# Allegro board LAY-28163.brd (continued)
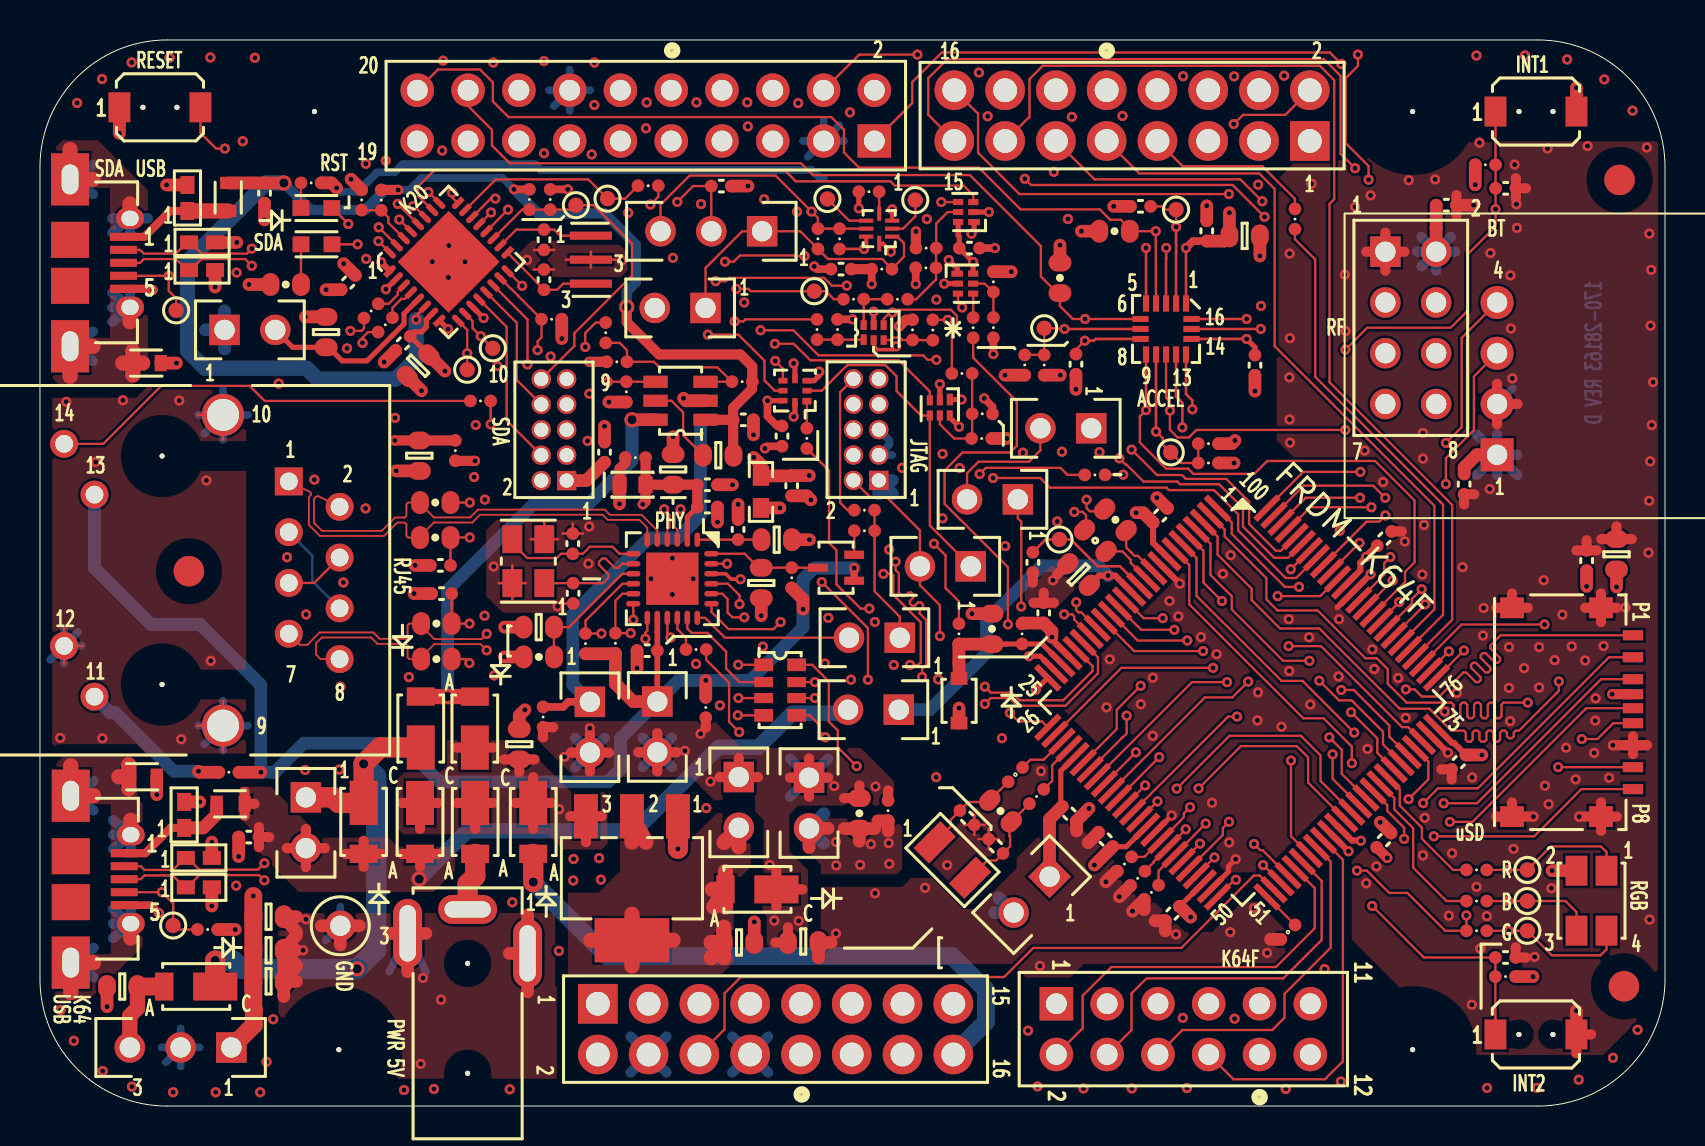
[diagram p0: board, top side]
## Routing (per net, layer and track width the routed paths; a pad name or vN(x,y) marks a point on that pad's centre or on a via; arc(x,y) is an arc through that point) (continued)
P3V3_K64F: length 34.4
  TOP w0.254: U14.40 54.33,12.98 C46.1 ; C49.1 57.42,10.41 U14.48
  TOP w0.305: U14.61 65.62,13.29 66.05,13.29 v1(66.07,13.27) ; U14.8 55.67,28.18 C25.1 ; U14.89 66.04,26.8 66.04,27.19 v1(66.33,27.48) ; U14.75 70.63,18.17 70.72,18.17 C42.1
  TOP w0.33: v1(50.61,23.46) 50.61,23.34 U14.22
  TOP w0.381: C27.1 v1(66.33,27.48)
  TOP w0.508: C47.1 v1(67.39,12.41)
  TOP w0.635: 42.42,13.76 R64.2 41.91,14.27 ; R52.1 v1(46.61,24.64) ; v1(54.82,29.68) 55.18,29.68 C25.1 ; v1(50.61,23.46) 50.61,23.75 C37.1 49.15,24.17 R54.1 ; C46.1 v1(52.74,12.06) ; v1(57.55,9.45) 57.01,9.99 C49.1 ; 40.98,13.25 R66.2 ; R66.2 41.75,13.88 ; R66.2 40.22,13.88 ; C42.1 v1(72.12,17.57) ; 38.47,12.94 J20.2 39.42,13.89
  BOTTOM w0.635: 47.75,9.68 J23.2 47.96,10.42 ; J20.2 39.2,14.63 ; J20.2 38.47,12.94 ; J20.2 39.2,13.15 ; J20.2 39.42,13.89 ; J9.1 42.63,31.3 ; J9.1 41.96,30.63 ; J9.1 42.63,30.63
  vias: v1(39.82,13.21) v1(39.83,12.04) v1(41.02,12.07) v1(41.56,13.1) v1(42.45,13.15) v1(42.48,12.12)
P3V3_SDA: length 48.2
  TOP w0.203: v1(42.56,42.75) 42.16,43.15 U3.1
  TOP w0.254: v1(45.45,42.33) 45.88,41.91 U7.1 ; U9.5 v1(41.7,39.75) ; C15.1 18.52,38.51 C12.1 18.74,38.73 19.09,38.73 19.32,38.97 19.32,39.34 19.63,39.65 U5.7 ; v1(46.59,43.64) 46.72,43.77 U2.1 ; R4.2 v1(40.95,44.92) ; v1(36.39,35.29) U10.7 ; U5.11 v1(22.19,39.43) ; U12.1 v1(46.09,35.35)
  TOP w0.305: U5.1 v1(17.06,42.22)
  TOP w0.381: R26.1 v1(40.64,39.36) ; J18.1 26.43,20.22 26.17,19.97 R61.2 ; v1(36.39,35.29) 36.39,34.51 36.87,34.03 C17.1 ; R37.1 47.64,34.99 v1(47.23,35.41) ; R23.1 v1(47.69,37.62) ; v1(41.6,41.13) R14.1
  TOP w0.508: R14.1 C8.1 ; v1(42.97,39.01) 42.99,39.01 43.32,39.34 R27.2 ; v1(43.81,43.76) R12.1
  TOP w0.635: J10.1 27.32,31.3 C18.1 ; v1(15.19,42.15) C10.1 ; R35.1 v1(28.45,35.22) ; v1(20.26,36.77) C15.1 ; R21.1 v1(26.1,38.4) ; R17.1 v1(10.45,41.1)
  BOTTOM w0.635: J10.1 27.02,31.3 ; J7.1 9.23,39.79 ; J7.1 9.23,37.88 ; J7.1 8.28,38.83 ; J18.1 26.65,21.08 26.65,24.61 30.46,28.42 31.9,28.42 33.04,29.56 33.04,34.06
P3V3_VREG: length 18.1
  TOP w0.762: 34.22,13.18 J19.2 34.95,12.97 ; 30.31,13.2 U17.2 29.61,13.2 ; D11.A 34.28,11.73 ; D11.A 33.7,9.95 ; D11.A 34.28,9.95 ; D11.A 33.64,10.84 ; 34.2,7.42 C51.1 ; C51.1 33.57,8.18 ; C51.1 33.57,7.42 ; C51.1 34.2,8.95 ; 27.55,8.3 U17.4 ; U17.4 29.61,7 ; U17.4 31.67,8.3 ; U17.4 29.61,9.59
P5V0_SDA_USB_CONN_VBUS: length 5.8
  TOP w0.406: J26.1 5.21,43.49 6.51,44.79 U1.1
  TOP w0.762: U1.1 L1.1
P5V0_USB_CONN_VBUS: length 6
  TOP w0.406: J22.1 5.27,12.65 6.53,13.92 U15.1
  TOP w0.635: U15.1 8.16,13.92 8.84,14.59 L5.1
P5V_K64_USB: length 37.5
  TOP w0.508: 10.24,14.52 L5.2 ; L5.2 10.73,15.12 ; L5.2 10.24,15.72 ; 19.01,11.97 D8.A ; D8.A 19.9,12.62 ; D8.A 18.12,12.62 ; D7.A 16.19,13.27 ; D7.A 16.19,11.97 ; D7.A 17.08,12.62 ; D7.A 15.3,12.62 ; 13.3,11.95 J21.2 ; J21.2 14.25,12.9 ; J21.2 13.3,13.86 ; J21.2 12.35,12.9 ; 10.95,12.95 C45.1 ; C45.1 11.46,13.46 ; C45.1 10.95,13.97
  BOTTOM w0.762: J16.2 40.24,19.65 37.63,19.65 35.93,17.95 33.94,17.95 29.76,13.76 21.38,13.76 v2(18.97,11.36)
P5V_OPT_VR: length 4.5
  TOP w0.762: C53.1 4.88,4.9 4.49,4.52 J27.3
  TOP w0.889: C53.1 D13.A
P5V_SDA: length 68.3
  TOP w0.127: v1(18.81,39.35) 18.8,39.36 18.8,39.54 U5.6
  TOP w0.381: R5.1 v1(23.71,45.86)
  TOP w0.508: C19.1 34.67,32.58 C16.1 ; C16.1 34.67,34.94 35.6,35.87 R34.1 35.63,37.01 35.03,37.6 30.97,37.6 29.35,39.22 v2(29.35,39.98) ; C16.1 33.29,34.33 U11.1 ; R8.1 v1(17.91,45.84)
  TOP w0.635: L1.2 C1.1 12.09,46.19 12.1,46.18 v2(12.2,46.18)
  BOTTOM w0.381: v1(23.71,45.86) 23.13,46.44 19.09,46.44 18.48,45.84 v1(17.91,45.84)
  BOTTOM w0.508: v1(17.91,45.84) 17.28,45.84 16.28,44.84 13.54,44.84 v2(12.2,46.18) ; v1(23.71,45.86) 24.91,44.66 28.25,44.66 29.8,43.11 29.8,41.2 29.35,40.75 v2(29.35,39.98)
  BOTTOM w0.762: v1(18.81,39.35) 18.81,37.39 17.8,36.38 13.87,36.38 13.33,36.92 8.25,36.92 7.38,37.79 7.38,42.26 11.31,46.18 v2(12.2,46.18)
P5V_SDA_PSW: length 23.2
  TOP w0.635: U11.6 v2(29.61,34.34)
  TOP w0.762: D5.A v2(20.39,20.49) 21.74,20.49 D6.A
  BOTTOM w0.635: v2(29.61,34.34) 29.61,32.3 27.43,30.12 24.69,30.12 20.39,25.82 v2(20.39,20.49)
P5V_USB: length 53.3
  TOP w1.016: D5.C 17.01,17.94 v2(16.19,17.12) D7.C 14.93,15.17 14.65,15.44 J21.1 ; D13.C v2(8.76,7.28)
  INT_1 w1.016: J3.10 38.06,2.05 36.94,0.93 25.14,0.93 22.53,3.53 19.69,3.53 16.98,6.23 16.49,6.23 v2(15.86,6.86)
  BOTTOM w1.016: v2(16.19,17.12) 16.82,16.49 16.82,7.82 v2(15.86,6.86) 10.07,6.86 9.65,7.28 v2(8.76,7.28)
VBAT: length 6.7
  TOP w0.254: C43.1 51.06,15.06 51.06,16.77 U14.30
  TOP w0.635: J23.1 50.5,14.35 C43.1
VDDA_ENET: length 18.8
  TOP w0.254: C24.1 32.38,29.47 U13.2
  TOP w0.508: C24.1 C22.1 32.87,31.09 C21.1 31.66,31.09 L3.2 ; R41.1 20.78,32.28 v1(21.76,32.28) ; L3.2 30.29,31.08 30.29,30.25 v1(30.15,30.11) ; L3.2 R42.2
  INT_1 w0.254: v1(30.15,30.11) 29.29,30.97 28.11,30.97 27.35,30.2 23.84,30.2 v1(21.76,32.28)
VDDIO_ENET: length 70.1
  TOP w0.279: U13.14 30.88,23.72 C39.1 30.88,21.27 30.88,21.27 J17.1
  TOP w0.381: D3.1 v1(40.72,26.92)
  TOP w0.635: R60.2 v1(33.3,21.3) ; R56.1 28.77,22.63 R55.1 28.78,21.13 29.67,20.24 J17.1 ; R76.1 v1(11.05,16.7) ; R50.1 38.17,25.35 v1(38.17,24.86)
  BOTTOM w0.635: v1(40.72,26.92) 38.73,26.92 38.17,26.36 v1(38.17,24.86) 38.17,23.94 35.52,21.3 v1(33.3,21.3) 31.94,21.3 J17.1 29.04,18.4 29.04,16.86 28.41,16.22 19.99,16.22 18.06,18.15 13.2,18.15 11.75,16.7 v1(11.05,16.7) 11.05,21.06 8.02,24.09 5.57,24.09 2.73,26.93 J13.13
VDDPLL_1.2V: length 3.2
  TOP w0.114: U13.1 34.42,28.34 C26.1 36.08,28.34 C28.1
ADC0_DM0/ADC1_DM3: length 45.7
  TOP w0.114: v1(51.23,24.6) 51.64,24.6 51.73,24.51 51.73,24.35 U14.19
  INT_1 w0.119: v1(51.23,24.6) 51.23,24.99 50.98,25.24 50.98,25.85 53.3,28.18 53.3,30.5 52.8,31 51.71,31 49.36,28.65 40.98,28.65 39.38,30.26 39.38,35.9 39.72,36.24 39.72,38.56 37.12,41.16 37.12,45.49 35.23,47.38 35.23,48.17 35.11,48.29 J2.7
ADC0_DM1: length 30.5
  TOP w0.114: U14.15 55.08,23.83 v1(56.74,23.83)
  INT_1 w0.13: J4.3 54.91,6.65 58.94,6.65 62.49,10.2 62.49,12.94 56.74,18.69 v1(56.74,23.83)
ADC0_DP0/AD1_DP3: length 45.4
  TOP w0.114: v1(51.83,25.2) 51.83,24.81 51.94,24.7 52.08,24.7 U14.18
  INT_1 w0.119: v1(51.83,25.2) 51.44,25.2 51.27,25.37 51.27,25.73 53.6,28.05 53.6,30.62 52.92,31.3 51.59,31.3 49.24,28.95 41.11,28.95 39.67,30.38 39.67,35.78 40.02,36.12 40.02,38.69 37.42,41.28 37.42,45.62 35.53,47.51 35.53,48.17 35.65,48.29 J2.5
ADC0_DP1: length 31.9
  TOP w0.114: 54.3,25.31 55.2,24.41 v1(56.15,24.41)
  INT_1 w0.13: J4.1 52.78,7.06 58.55,7.06 61.92,10.43 61.92,12.85 56.15,18.62 v1(56.15,24.41)
ADC1_DM0/ADC0_DM3: length 52
  TOP w0.114: v1(42.19,26.63) 42.6,26.63 42.68,26.54 42.68,25.58 44.05,24.2 44.05,22.2 43.93,22.07 v1(43.52,22.07) ; v1(47.26,20.98) 47.55,20.69 48.61,20.69 49,20.3 51.18,20.3 52.64,21.76 52.64,22.02 U14.21
  INT_1 w0.119: v1(47.26,20.98) 46.98,20.7 46.79,20.7 44.96,22.52 44.36,22.52 44.19,22.35 43.8,22.35 v1(43.52,22.07) ; J2.13 27.58,48.29 28.61,47.26 29.99,47.26 30.06,47.32 30.56,47.32 31.21,46.67 32.84,46.67 34.53,44.98 34.53,43.19 36.14,41.59 36.14,40.34 38.2,38.27 38.2,34.66 38.2,32.72 37.7,32.22 37.7,28.03 38.37,27.36 41.85,27.36 42.19,27.02 v1(42.19,26.63)
ADC1_DM1: length 28.1
  TOP w0.114: v1(58.18,22.76) 54.73,22.76 U14.17
  INT_1 w0.13: J4.7 59.49,5.12 63.55,9.18 63.55,13.24 58.18,18.61 v1(58.18,22.76)
ADC1_DP0/ADC0_DP3: length 51.8
  TOP w0.114: v1(42.8,27.24) 42.8,26.82 42.96,26.66 42.96,25.69 43.13,25.52 43.27,25.52 43.44,25.69 43.58,25.69 43.68,25.59 43.68,25.45 43.51,25.28 43.51,25.13 43.61,25.03 43.75,25.03 43.92,25.2 44.07,25.2 44.17,25.1 44.17,24.96 44,24.79 44,24.65 44.33,24.32 44.33,22.08 44.12,21.88 v1(44.12,21.46) ; U14.20 52.92,22.45 52.92,21.65 51.3,20.03 48.88,20.03 48.5,20.41 47.55,20.41 v1(47.26,20.12)
  INT_1 w0.119: v1(44.12,21.46) 44.4,21.75 44.4,22.14 44.49,22.23 44.84,22.23 46.67,20.4 46.98,20.4 v1(47.26,20.12) ; v1(42.8,27.24) 42.4,27.24 41.97,27.66 38.49,27.66 38,28.15 38,32.09 38.5,32.59 38.5,34.17 38.5,34.17 38.5,34.79 38.5,34.79 38.5,38.4 36.43,40.46 36.43,41.76 34.83,43.36 34.83,45.1 32.96,46.97 31.33,46.97 30.68,47.62 30.35,47.62 29.68,48.29 J2.11
ADC1_DP1: length 29.1
  TOP w0.114: v1(57.39,23.29) 54.91,23.29 U14.16
  INT_1 w0.13: v1(57.39,23.29) 57.39,18.64 63.02,13 63.02,9.93 59.34,6.25 57.05,6.25 J4.5
ADC1_SE18: length 51.6
  TOP w0.114: v1(39.1,26.22) 39.41,25.91 39.42,25.91 41.41,23.91 v1(41.41,21.33) ; U14.26 50.11,19.24 48.94,19.24 v1(48.51,19.67)
  INT_1 w0.13: J2.17 22.7,47 29.86,47 30.69,46.17 31.74,46.17 32.57,45.35 32.57,43.37 33.25,42.69 34.54,42.69 35.78,41.45 35.78,40.03 37.24,38.57 37.24,30.79 36.55,30.1 36.55,28.3 38.64,26.22 v1(39.1,26.22) ; v1(41.41,21.33) 41.84,20.9 45.62,20.9 46.84,19.67 v1(48.51,19.67)
AREF: length 42.7
  TOP w0.114: R53.2 45.96,25.12 45.96,25.25 45.29,25.92 45.29,27.55 v1(44.71,28.14)
  INT_1 w0.13: v1(44.71,28.14) 43.24,28.14 43.03,28.34 40.1,28.34 39.04,29.41 39.04,36.15 39.43,36.54 39.43,38.2 36.78,40.85 36.78,41.96 35.16,43.58 35.16,45.5 32.96,47.7 32.96,48.66 32.09,49.53 25.25,49.53 J2.16
CPU_PER_1_RST_B: length 6.9
  TOP w0.114: R45.2 R47.1 41.74,25.75 43,24.49 J14.1
CRS_DV: length 6.3
  TOP w0.114: v1(31.54,23.44) 31.38,23.61 U13.15 ; v1(34.92,22.08) 35.47,22.08 35.47,22.08 RN1.1
  INT_1 w0.13: v1(34.92,22.08) 33.56,23.44 v1(31.54,23.44)
DAC0_OUT: length 28.5
  TOP w0.114: U14.27 54.09,21.93 v1(58.67,21.93)
  INT_1 w0.13: J4.11 63.54,7.64 64.04,8.13 64.04,13.29 58.67,18.66 v1(58.67,21.93)
DC_JACK: length 2.9
  TOP w1.016: J24.1 21.39,11.12 21.76,11.49 21.76,11.52 21.77,11.52 D9.A
ENET1_CT: length 19
  TOP w0.508: v1(17.75,33.3) C20.1 R41.2
  INT_1 w0.508: v1(17.75,33.3) 12.17,33.3 11.13,32.26 11.13,30.03 J13.3
  BOTTOM w0.127: J13.3 13.62,27.54 13.62,26.27 J13.6
ENET1_RX+: length 25.9
  TOP w0.089: v1(31.22,29.86) 31.5,29.57 31.5,28.96 31.38,28.84 U13.4 ; v1(22.34,23.62) 22.08,23.36 19.73,23.36 19.07,24.02 R51.1 18.48,24.14 18.39,24.05 18.39,23.47 18.3,23.38 16.98,23.38 16.67,23.7 13.99,23.7 13.37,23.08 13,23.08 J13.7
  INT_1 w0.089: v1(31.22,29.86) 31.45,29.62 31.45,28.91 31.17,28.63 30.59,28.63 25.33,23.37 22.6,23.37 v1(22.34,23.62)
ENET1_RX-: length 26.5
  TOP w0.089: v1(22.34,22.8) 22.04,23.11 19.73,23.11 19.07,22.45 R59.1 18.48,22.36 18.39,22.45 18.39,23.04 18.3,23.12 16.88,23.12 16.56,23.44 14.1,23.44 13.81,23.16 13.81,22.59 14.03,22.36 J13.8 ; v1(32.04,29.86) 31.76,29.57 31.76,28.96 31.88,28.84 U13.3
  INT_1 w0.089: v1(22.34,22.8) 22.65,23.11 25.44,23.11 30.7,28.37 31.28,28.37 31.71,28.8 31.71,29.53 v1(32.04,29.86)
ENET1_TX+: length 22.3
  TOP w0.089: U13.6 30.38,28.93 29.98,29.33 28.4,29.33 28.14,29.59 22.01,29.59 21.63,29.2 19.7,29.2 19.01,28.5 R48.1 18.42,28.44 18.33,28.53 18.33,29.1 18.24,29.19 17.87,29.19 17.2,28.52 14,28.52 13.45,29.08 13.45,30.44 13.56,30.6 13.52,30.71 J13.1
ENET1_TX-: length 22.3
  TOP w0.089: J13.2 13.91,30.52 13.79,30.48 13.7,30.36 13.7,29.18 14.11,28.78 17.09,28.78 17.76,29.45 18.24,29.45 18.33,29.54 18.33,30.11 18.42,30.2 R44.1 19.01,30.14 19.7,29.45 21.52,29.45 21.91,29.84 28.25,29.84 28.5,29.58 30.09,29.58 30.88,28.79 U13.5
ENET_1_RX_RDIV: length 5.3
  TOP w0.114: v1(21.48,24.14) R51.2 20.59,25.13 20.59,25.14 C36.1 ; R59.2 21.28,22.36 v1(21.48,22.16)
  INT_1 w0.13: v1(21.48,24.14) 21.48,22.62 21.48,22.61 v1(21.48,22.16)
ENET_1_TX_RDIV: length 5.1
  TOP w0.114: R44.2 v1(21.5,30.2) ; C31.1 20.53,27.68 20.53,27.69 R48.2 20.54,28.45 v1(21.5,28.45)
  INT_1 w0.13: v1(21.5,30.2) v1(21.5,28.45)
EXTAL32_RTC: length 2.6
  TOP w0.114: R63.1 50.63,16.27 50.63,17.05 U14.29
EXTAL_32.768KHZ: length 5.2
  TOP w0.114: R63.2 49.13,14.77 48.58,14.22 48.49,14.13 48.49,13.5 48.52,13.47 48.52,12.99 C48.1 47.81,12.28 47.38,12.28 Y3.2
FXOS8700CQ_CRST: length 3.7
  TOP w0.114: C13.1 51.82,37.85 v1(52.26,38.29)
  TOP w0.127: U8.8 52.79,38.38 52.7,38.29 v1(52.26,38.29)
FXOS8700CQ_I2C_SA0: length 7.1
  TOP w0.114: v1(51.24,38.88) 50.83,38.88 50.79,38.92 TP8.1 R32.2 R31.1
  TOP w0.127: U8.7 v1(51.24,38.88)
FXOS8700CQ_I2C_SA1: length 7.8
  TOP w0.114: v1(55.82,33.74) 56.16,33.41 56.16,33.11 TP11.1 57.09,32.17 R43.1 R40.2
  TOP w0.127: U8.10 55.82,35.01 55.82,35 55.82,34.63 55.82,34.63 v1(55.82,33.74)
I2S_MCLK: length 8.6
  TOP w0.114: J1.7 57.16,47.02 61.14,47.02 62.77,45.39 R79.1
K64_MICRO_USB_DN: length 2.7
  TOP w0.114: R49.2 54.14,27.75 54.47,27.41 54.48,27.41 54.56,27.33 54.56,27.17 U14.11
K64_MICRO_USB_DP: length 2.7
  TOP w0.114: U14.10 54.91,27.53 54.75,27.53 54.59,27.69 54.59,27.69 54.33,27.95 R46.2
LED1/SPEED: length 18.8
  TOP w0.114: v1(34.37,27.13) 34.37,27.13 U13.23 ; v1(22.54,34.11) R36.1
  INT_1 w0.13: v1(34.37,27.13) 34.37,27.63 32.92,29.08 32.92,29.75 32.02,30.65 31.99,30.65 31.14,31.5 27.9,31.5 27.02,30.62 24.72,30.62 22.54,32.8 v1(22.54,34.11)
LED2_LINK: length 7.8
  TOP w0.635: v1(7.93,16.75) 7.98,16.7 R76.2
  BOTTOM w0.635: J13.11 3.53,19.67 3.78,19.67 6.7,16.75 v1(7.93,16.75)
LEDRGB_BLUE: length 5.7
  TOP w0.114: R71.1 v1(73.43,10.26) TP14.1 76.3,10.26 76.85,9.71 D12.3
LEDRGB_GREEN: length 7.6
  TOP w0.114: D12.4 78.35,7.84 78.05,7.54 75.62,7.54 TP17.1 v1(73.47,8.77) R73.1
LEDRGB_RED: length 7.5
  TOP w0.114: D12.1 78.35,12.71 78.07,12.99 75.57,12.99 TP13.1 v1(73.39,11.81) R68.2
LVLRST_EN: length 1.1
  TOP w0.114: R4.1 41.97,45.25 41.98,45.24 U3.5
MIC2005_CSLEW: length 4.2
  TOP w0.114: U11.5 31.58,35.29 32.17,34.7 32.17,33.56 C19.2
MMA8451_BYP: length 6
  TOP w0.114: v1(56.82,43.99) TP4.1 56.26,44.85 56.09,45.02 C3.1
  TOP w0.127: U8.2 56.82,42.72 56.83,42.73 56.83,43.14 56.82,43.14 56.82,43.32 56.82,43.52 56.82,43.52 v1(56.82,43.99)
NC1: length 3.1
  TOP w0.114: J13.5 13.72,26.17 J13.4
Net_211: length 3.5
  TOP w0.127: 57.6,38.88 v1(61.06,38.88)
P5-9V_VIN: length 54
  TOP w0.889: J27.1 10.69,4.05 10.69,4.82 10.67,4.84 C54.1 C52.1 C50.1 v1(10.67,10.51)
  TOP w1.016: D10.A v2(24.67,11.2)
  INT_1 w0.889: v2(24.67,11.2) 23.05,12.82 18.63,12.82 16.21,10.4 10.78,10.4 v1(10.67,10.51)
  BOTTOM w0.889: J3.16 47.31,4.21 47.31,5.81 45.63,7.5 28.37,7.5 v2(24.67,11.2)
P5-9V_VIN_VR: length 17.3
  TOP w0.508: 23.97,16.71 C41.1 ; C41.1 24.74,17.34 ; C41.1 23.21,17.34 ; 21.77,13.87 D9.C ; D9.C 20.88,15.17 ; D9.C 22.66,15.17 ; D10.C 24.67,16.46 ; D10.C 25.56,15.17 ; D10.C 24.67,13.87 ; D10.C 23.78,15.17 ; D8.C 19.9,15.17 ; D8.C 18.12,15.17 ; D8.C 19.01,13.87 ; 27.31,13.2 U17.3 ; U17.3 26.52,14.5 ; U17.3 28.1,14.5 ; 22.64,17.93 D6.C 20.86,17.93
  vias: v1(25.97,14.85)
PHY_RST_B: length 1.2
  TOP w0.114: 40.73,28.78 40.73,27.98 40.72,27.97 D3.2
POWER_EN: length 16
  TOP w0.114: R29.1 27.79,39.2 27.27,38.68 v1(27.27,37.98) ; 17.86,43.05 v1(16.94,43.97)
  INT_1 w0.13: v1(27.27,37.98) 26.29,38.96 21.95,38.96 v1(16.94,43.97)
PTA0: length 40.8
  TOP w0.114: v1(54.81,17.7) U14.34 ; v1(49.08,24.99) 49.08,29.24 48.91,29.41 J11.1
  INT_1 w0.13: J11.1 48.91,31.77 47.82,32.86 47.82,35.6 47.13,36.29 47.13,42.47 42.81,46.78 42.81,49.74 J2.2 ; v1(54.81,17.7) 50.14,22.36 50.14,23.48 49.08,24.55 v1(49.08,24.99)
PTA1: length 42.1
  TOP w0.114: v1(60.43,21.24) 59.64,20.45 58.27,20.45 U14.35
  INT_1 w0.13: v1(60.43,21.24) 60.43,22.32 57.97,24.78 57.97,32.42 58.5,32.95 58.5,43.9 54.62,47.78 54.62,49.54 J1.8
PTA2: length 41.7
  TOP w0.114: v1(54.18,31.59) 54.17,31.58 R80.2 ; U14.36 v1(55.98,17.45)
  INT_1 w0.13: v1(55.98,17.45) 54.96,18.48 54.96,19.55 54.61,19.91 54.61,27.62 55.32,28.33 55.32,30.46 v1(54.18,31.59) 55.12,32.53 55.12,33.61 54.83,33.91 54.83,41.9 49.55,47.18 49.55,49.55 J1.12
PTA3: length 24.8
  TOP w0.114: v1(45.01,23.51) 45.01,25.06 44.01,26.06 J12.2 44.01,28.8 42.37,30.44 41.55,30.44 J9.2 ; 54.3,15.06 v1(55.28,16.04)
  INT_1 w0.13: v1(45.01,23.51) 45.51,23.51 52.98,16.04 v1(55.28,16.04)
PTA4: length 34.4
  TOP w0.114: v1(59.88,19.48) 59.43,19.48 U14.38 ; SW3.1 72.8,4.53 72.79,4.53 R75.2 C55.1 69.22,7.43 v1(66.63,10.01)
  INT_1 w0.13: v1(66.63,10.01) 68.7,12.08 68.7,13.69 67.63,14.77 63.91,14.77 59.88,18.8 v1(59.88,19.48)
PTA5: length 39
  TOP w0.114: RN1.7 v1(38.76,21.21) ; v1(55.89,15.24) U14.39
  INT_1 w0.13: v1(55.89,15.24) 55.58,15.56 55.12,15.56 55.01,15.45 55.01,14.9 54.9,14.79 54.73,14.79 54.62,14.9 54.62,15.45 54.51,15.56 54.35,15.56 54.23,15.45 54.23,14.9 54.12,14.79 53.96,14.79 53.84,14.9 53.84,15.45 53.73,15.56 53.57,15.56 53.45,15.45 53.45,14.9 53.34,14.79 53.18,14.79 53.07,14.9 53.07,15.45 52.95,15.56 52.23,15.56 51.86,15.94 51.7,15.94 51.18,15.42 51.02,15.42 50.91,15.54 50.91,15.7 51.42,16.21 51.42,16.37 51.31,16.48 51.15,16.48 50.63,15.97 50.47,15.97 50.36,16.09 50.36,16.25 50.87,16.76 50.87,16.92 50.23,17.56 50.07,17.56 49.55,17.04 49.39,17.04 49.28,17.15 49.28,17.31 49.8,17.83 49.8,17.99 49.49,18.3 49.33,18.3 48.78,17.75 48.62,17.75 48.5,17.87 48.5,18.03 49.05,18.58 49.05,18.74 48.87,18.92 48.08,18.92 47.97,19.03 47.97,19.14 47.86,19.26 47.69,19.26 47.58,19.14 47.58,19.03 47.47,18.92 47.31,18.92 47.19,19.03 47.19,19.14 47.08,19.26 46.92,19.26 46.8,19.14 46.8,19.03 46.69,18.92 45.3,18.92 45.19,19.03 45.19,20.2 45.08,20.31 44.92,20.31 44.8,20.2 44.8,18.97 44.69,18.85 44.53,18.85 44.41,18.97 44.41,20.2 44.3,20.31 44.14,20.31 44.02,20.2 44.02,18.98 43.91,18.86 40,18.86 39.39,19.47 39.39,20.58 v1(38.76,21.21)
PTA12: length 40.4
  TOP w0.114: 54.6,12.47 55.24,12.47 56.98,14.21 56.98,14.22 57.21,14.45 57.21,14.64 v1(57.52,14.95) ; v1(38.76,20.41) RN1.6
  INT_1 w0.13: v1(38.76,20.41) 38.76,19.64 39.93,18.47 40.32,18.47 40.44,18.35 40.44,17.89 40.55,17.77 40.71,17.77 40.83,17.89 40.83,18.35 40.94,18.47 41.1,18.47 41.22,18.35 41.22,17.89 41.33,17.77 41.49,17.77 41.6,17.89 41.6,18.35 41.72,18.47 47.23,18.47 47.41,18.28 47.41,18.12 47.12,17.84 47.12,17.67 47.23,17.56 47.4,17.56 47.68,17.85 47.84,17.85 47.96,17.73 47.96,17.57 47.67,17.29 47.67,17.12 47.78,17.01 47.95,17.01 48.23,17.3 48.39,17.3 48.51,17.18 48.51,17.02 48.22,16.74 48.22,16.58 48.33,16.46 48.49,16.46 48.78,16.75 48.94,16.75 49.06,16.63 49.06,16.47 48.77,16.19 48.77,16.03 48.88,15.91 49.04,15.91 49.33,16.2 49.49,16.2 49.61,16.09 49.61,15.92 49.32,15.64 49.32,15.48 49.43,15.36 49.59,15.36 49.88,15.65 50.04,15.65 50.16,15.54 50.16,15.37 49.87,15.09 49.87,14.93 49.98,14.81 50.14,14.81 50.43,15.1 50.59,15.1 50.71,14.99 50.71,14.82 50.42,14.54 50.42,14.38 50.53,14.26 50.69,14.26 50.98,14.55 51.14,14.55 51.78,13.92 52.44,13.92 52.56,14.03 52.56,14.31 52.67,14.42 52.83,14.42 52.95,14.31 52.95,14.03 53.06,13.92 53.22,13.92 53.33,14.03 53.33,14.31 53.45,14.42 53.61,14.42 53.72,14.31 53.72,14.03 53.84,13.92 54,13.92 54.11,14.03 54.11,14.31 54.23,14.42 54.39,14.42 54.5,14.31 54.5,14.03 54.61,13.92 54.78,13.92 54.89,14.03 54.89,14.31 55,14.42 55.16,14.42 55.28,14.31 55.28,14.03 55.39,13.92 55.55,13.92 55.67,14.03 55.67,14.31 55.78,14.42 55.94,14.42 56.06,14.31 56.06,14.03 56.17,13.92 56.68,13.92 57.21,14.45 57.21,14.64 v1(57.52,14.95)
PTA13: length 39.3
  TOP w0.114: R69.1 55.7,12.19 55.7,12.23 U14.43 57.31,13.83 v1(57.31,13.85) ; v1(39.28,18.45) 38.97,18.76 38.97,19.08 38.5,19.55 RN1.5
  INT_1 w0.13: v1(57.31,13.85) 56.99,13.53 50.56,13.53 49.83,14.26 49.67,14.26 49.26,13.85 49.1,13.85 48.99,13.97 48.99,14.13 49.4,14.54 49.4,14.7 49.28,14.81 49.12,14.81 48.71,14.4 48.55,14.4 48.44,14.52 48.44,14.68 48.85,15.09 48.85,15.25 48.73,15.36 48.57,15.36 48.16,14.95 48,14.95 47.89,15.07 47.89,15.23 48.3,15.64 48.3,15.8 48.18,15.91 48.02,15.91 47.61,15.5 47.45,15.5 47.34,15.62 47.34,15.78 47.75,16.19 47.75,16.35 47.63,16.46 47.47,16.46 47.06,16.05 46.9,16.05 46.79,16.17 46.79,16.33 47.2,16.74 47.2,16.9 47.08,17.01 46.92,17.01 46.51,16.6 46.35,16.6 46.24,16.71 46.24,16.88 46.65,17.29 46.65,17.45 46.42,17.67 46.42,17.98 46.31,18.1 46.15,18.1 46.03,17.98 46.03,17.57 45.92,17.45 45.76,17.45 45.65,17.57 45.65,17.98 45.53,18.1 45.37,18.1 45.26,17.98 45.26,17.57 45.14,17.45 44.98,17.45 44.87,17.57 44.87,17.98 44.75,18.1 44.59,18.1 44.48,17.98 44.48,17.57 44.37,17.45 44.2,17.45 44.09,17.57 44.09,17.98 43.98,18.1 43.82,18.1 43.7,17.98 43.7,17.57 43.59,17.45 43.43,17.45 43.31,17.57 43.31,17.98 43.2,18.1 43.04,18.1 42.92,17.98 42.92,17.57 42.81,17.45 42.65,17.45 42.54,17.57 42.54,17.98 42.42,18.1 42.26,18.1 42.15,17.98 42.15,17.57 42.03,17.45 40.28,17.45 v1(39.28,18.45)
PTA14: length 38.9
  TOP w0.114: RN1.8 38.62,22.08 39.46,21.24 39.46,19.24 39.91,18.79 39.91,17.95 v1(40.85,17.01) ; R70.1 55.95,11.76 U14.44 57.75,13.56 57.75,13.57 58,13.82 58,13.82 v1(58.31,14.13)
  INT_1 w0.13: v1(58.31,14.13) 57.21,13.03 50.21,13.03 50.1,13.15 50.1,13.4 49.98,13.51 49.82,13.51 49.71,13.4 49.71,13.15 49.59,13.03 49.17,13.03 48.86,13.34 48.7,13.34 48.3,12.95 48.14,12.95 48.03,13.06 48.03,13.23 48.42,13.62 48.42,13.78 48.31,13.89 48.15,13.89 47.75,13.5 47.59,13.5 47.48,13.61 47.48,13.77 47.87,14.17 47.87,14.33 47.76,14.44 47.6,14.44 47.2,14.05 47.04,14.05 46.93,14.16 46.93,14.32 47.32,14.72 47.32,14.88 47.21,14.99 47.05,14.99 46.65,14.6 46.49,14.6 46.38,14.71 46.38,14.87 46.77,15.27 46.77,15.43 46.66,15.54 46.5,15.54 46.1,15.15 45.94,15.15 45.83,15.26 45.83,15.42 46.22,15.82 46.22,15.98 46.11,16.09 45.95,16.09 45.55,15.7 45.39,15.7 45.28,15.81 45.28,15.97 45.67,16.37 45.67,16.53 45.2,17.01 v1(40.85,17.01)
PTA15: length 40.2
  TOP w0.114: v1(37.04,24.21) 36.69,23.86 34.44,23.86 33.58,24.72 U13.19 ; v1(58.02,13.13) U14.45
  INT_1 w0.13: v1(58.02,13.13) 57.43,12.53 57.1,12.53 49.15,12.53 49.04,12.42 49.04,11.95 48.93,11.84 48.77,11.84 48.65,11.95 48.65,12.42 48.54,12.53 47.87,12.53 43.92,16.48 43.65,16.48 43.54,16.37 43.54,15.3 43.42,15.19 43.26,15.19 43.15,15.3 43.15,16.37 43.04,16.48 42.87,16.48 42.76,16.37 42.76,15.3 42.65,15.19 42.49,15.19 42.37,15.3 42.37,16.37 42.26,16.48 40.61,16.48 36.73,20.36 36.73,23.37 37.04,23.68 v1(37.04,24.21)
PTA16: length 41.7
  TOP w0.114: v1(59.47,14.22) 59.16,13.91 59.16,13.56 U14.46 ; v1(35.23,24.45) 34.63,24.45 34.39,24.69 34.39,25.37 34.12,25.63 U13.20
  INT_1 w0.13: v1(59.47,14.22) 59.16,13.91 59.16,13.58 58.39,12.82 58.39,12.79 57.29,11.69 56.94,11.69 56.83,11.58 56.83,11.35 56.72,11.23 56.55,11.23 56.44,11.35 56.44,11.58 56.33,11.69 56.17,11.69 56.05,11.58 56.05,11.35 55.94,11.23 55.78,11.23 55.66,11.35 55.66,11.58 55.55,11.69 55.39,11.69 55.28,11.58 55.28,11.35 55.16,11.23 55,11.23 54.89,11.35 54.89,11.58 54.77,11.69 54.52,11.69 53.3,10.47 52.43,10.47 52.32,10.59 52.32,10.73 52.21,10.84 52.05,10.84 51.93,10.73 51.93,10.59 51.82,10.47 49.99,10.47 49.18,11.29 48.4,11.29 44.98,14.71 41.81,14.71 36.28,20.24 36.28,22.22 35.23,23.27 v1(35.23,24.45)
PTA17: length 39.5
  TOP w0.114: v1(34.99,25.11) 34.99,25.55 34.41,26.13 U13.21 ; v1(58.74,12.44) U14.47
  INT_1 w0.13: v1(34.99,25.11) 34.55,24.68 34.55,23.33 35.59,22.29 35.59,20.13 37.41,18.31 37.41,15.62 37.97,15.06 39.34,15.06 40.44,13.96 42.27,13.96 46.11,10.12 47.1,10.12 47.73,10.75 48.98,10.75 49.87,9.86 54.09,9.86 54.94,10.71 57.02,10.71 v1(58.74,12.44)
PTB0: length 51.8
  TOP w0.114: U14.53 61.2,12.05 61.19,12.05 61.19,12.05 v1(61.18,12.05) ; U13.10 29.13,26.13 27.28,24.29 R56.2 27.94,23.64 27.95,23.64 v1(28.08,23.64)
  INT_1 w0.13: v1(28.08,23.64) 28.08,21.31 30.11,19.28 31.6,19.28 33.26,17.63 35.7,17.63 36.21,17.11 36.21,13.06 41.65,7.61 57.78,7.61 61.18,11.01 v1(61.18,12.05)
PTB1: length 49.1
  TOP w0.114: v1(29.54,23.66) R55.2 28.78,25.28 29.13,25.63 U13.11 ; U14.54 61.15,12.8 61.04,12.8 v1(60.73,13.11)
  INT_1 w0.13: v1(29.54,23.66) 29.54,23.01 34.32,18.23 35.66,18.23 36.63,17.26 36.63,13.52 42.05,8.1 57.45,8.1 60.73,11.37 v1(60.73,13.11)
PTB2: length 19.9
  TOP w0.114: U14.55 63.76,10.9 63.76,8.9 61.82,6.96 53.59,6.96 52.15,5.52 52.15,3.89 J4.2
PTB3: length 18.5
  TOP w0.114: J4.4 54.59,3.79 54.59,5.63 55.35,6.39 62.18,6.39 64.11,8.31 64.11,11.26 U14.56
PTB9: length 41.8
  TOP w0.114: U14.57 62.57,13.5 v1(62.57,17.28)
  INT_1 w0.13: v1(62.57,17.28) 61.46,18.39 61.46,21.88 58.38,24.96 58.38,31.69 58.93,32.25 58.93,45.9 57.18,47.64 57.18,49.56 J1.6
PTB10: length 16.9
  TOP w0.114: U14.58 64.56,12.23 64.56,7.93 62.25,5.62 62.25,4.42 61.63,3.8 57.14,3.8 J4.6
PTB11: length 19.1
  TOP w0.114: J4.8 59.7,1.34 64.27,1.34 65.17,2.24 65.17,12.32 U14.59
PTB16: length 43.5
  TOP w0.114: U14.62 63.43,16.18 63.43,17.44 62.86,18.01 60.07,18.01 v1(57.95,15.89) ; R24.2 46.68,37.44 48.86,35.25 48.86,33.03 48.53,32.7 46.15,32.7 45.25,31.8 45.25,30.13 48.41,26.96 v1(48.41,24.1)
  INT_1 w0.13: v1(57.95,15.89) 56.87,16.97 54.33,16.97 48.41,22.89 v1(48.41,24.1)
PTB17: length 40.9
  TOP w0.114: R38.2 39.47,31.79 39.47,28.18 39.83,27.81 39.83,26.1 41.04,24.89 v1(41.48,24.89) ; v1(56.85,15.88) 59.5,18.52 63.07,18.52 64.05,17.54 64.05,16.27 U14.63
  INT_1 w0.13: v1(56.85,15.88) 56.2,16.54 53.5,16.54 49.66,20.38 49.62,20.38 49.36,20.64 49.36,20.67 45.15,24.89 v1(41.48,24.89)
PTB18: length 35.4
  TOP w0.114: U14.64 64.66,16.37 v1(64.66,17.6)
  INT_1 w0.13: v1(64.66,17.6) 64.97,17.91 64.97,20.01 66.06,21.1 66.06,27.06 64.27,28.85 64.27,46.23 63.53,46.97 J1.1
PTB19: length 35.1
  TOP w0.114: U14.65 65.11,16.62 65.11,17.82 v1(64.49,18.45)
  INT_1 w0.13: v1(64.49,18.45) 64.49,26.98 63.01,28.46 63.01,44.73 60.99,46.76 J1.3
PTB20: length 17.5